# Altium PCB pcb_82.PcbDoc (part 1 of 2) (continued)
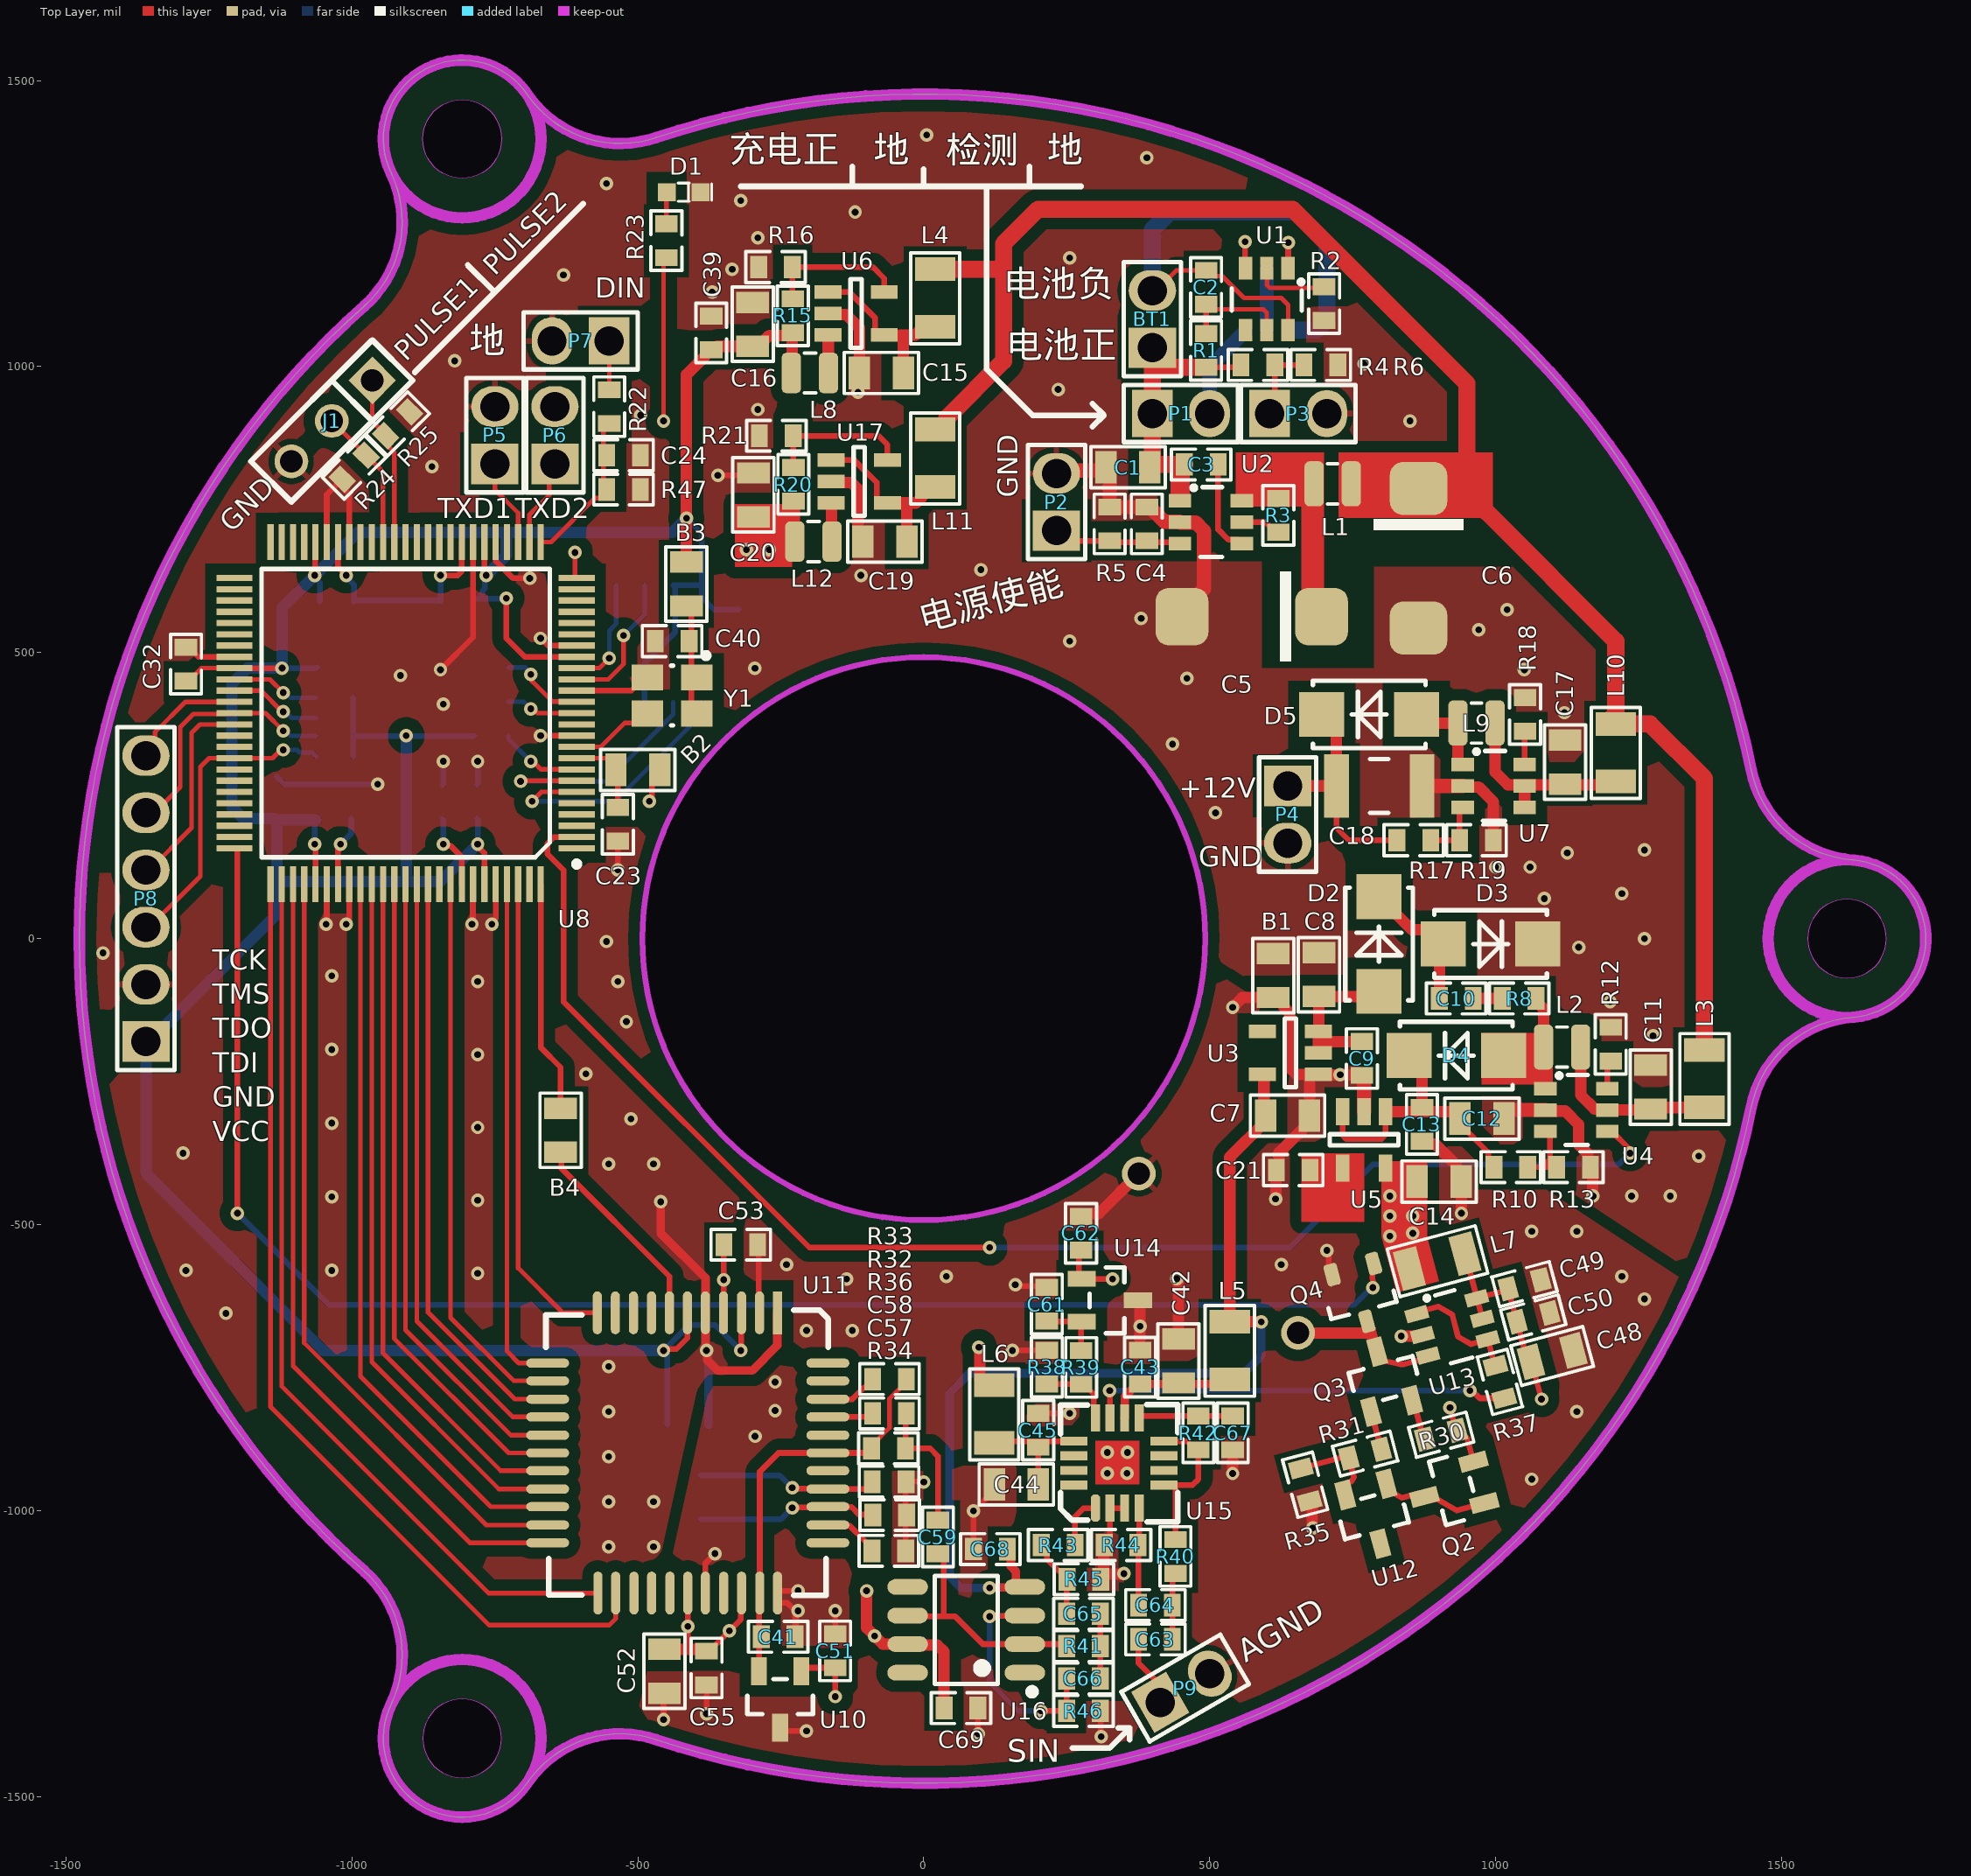
[diagram p0: Top Layer view]
## Footprints (in the part's own frame and the unit in brackets; to place one, negate y for a bottom-side part, rotate by r counter-clockwise, add the part's x,y. Pads: shape width x height; smd on the part's side, far side on the other; paste and mask are expansions set on the pad) (continued)
  rect 0.95x1.45 smd: 1(-0.975,0) 2(0.975,0)
  silkscreen extent -1.65,-0.91 1.65,0.91, body extent -1.11,-0.71 1.1,0.7, height 1.35
R0805_L [mm] "Chip Resistor; Body 80x50mil (2.0 x 1.3 mm)"
  rect 0.95x1.45 smd: 1(-0.975,0) 2(0.975,0)
  silkscreen extent -1.65,-0.91 1.65,0.91, body extent -1,-0.62 1,0.63, height 1.25
R1206_L [mm] "Chip Resistor; Body 120x60mil (3.2 x 1.6 mm )"
  rect 1.05x1.8 smd: 1(-1.275,0) 2(1.275,0)
  silkscreen extent -2.01,-1.09 2.03,1.09, body extent -1.6,-0.8 1.6,0.8, height 1.1
R1210_C [mm] "Chip Capacitor, Body 3.2x2.5mm, IPC High Density"
  rect 1.1x2.8 smd: 1(-1.9,0) 2(1.9,0)
  silkscreen extent -0.4,-1.2 0.4,1.2, body extent -1.65,-1.27 1.65,1.27, height 2.5
SIP3/2.54 [mm] "3 Leads,Pitch=2.54mm, 焊盘: 外径1.5mm,孔径1mm"
  rect 1.5x1.5 hole 1: 1(0,0)
  round 1.5 hole 1: 2(2.54,0) 3(5.08,0)
  silkscreen extent -1.27,-1.27 6.35,1.27
SMA(DO-214AC)_S2 [mm]
  rect 2x2 smd: 1(2.1,0) 2(-2.1,0)
  silkscreen extent -2.5,-1.5 2.5,1.5, body extent -2.6,-1.3 2.6,1.3, height 2.42
SMD-3225 [mm]
  rect 1.15x1.4 smd: 1(-0.8,1.1) 2(-0.8,-1.1) 3(0.8,-1.1) 4(0.8,1.1)
  silkscreen extent -1.9,-0.05 1.33,1.62, body extent -1.33,-1.68 1.33,1.68, height 0.61
SOP-8_150mil [mm]
  oval 0.7x1.8 smd: 1(-1.905,-2.6) 2(-0.635,-2.6) 3(0.635,-2.6) 4(1.905,-2.6) 5(1.905,2.6) 6(0.635,2.6) 7(-0.635,2.6) 8(-1.905,2.6)
  silkscreen extent -2.9,-3.07 2.4,1.4, body extent -2.5,-3.1 2.5,3.1, height 1.75
SOT23-5 [mm]
  rect 1.2x0.6 smd: 1(-1.25,0.95) 2(-1.25,0) 3(-1.25,-0.95) 4(1.25,-0.95) 5(1.25,0.95)
  silkscreen extent -0.25,-1.53 0.25,1.53, body extent -1.55,-1.46 1.3,1.46, height 1.09
SOT-23 [mm]
  rrect50% 1x0.6 smd: 1(-1.2,0.95) 2(-1.2,-0.95) 3(1.2,0)
  silkscreen extent 0.2,-1.5 0.7,1.5, body extent -1.16,-1.45 1.21,1.45, height 1
SOT-23(SOT-23-3) [mm]
  rect 1.25x0.7 smd: 1(1.25,-0.95) 2(1.25,0.95) 3(-1.25,0)
  silkscreen extent -0.65,-1.46 0.9,1.46, body extent -1.5,-1.5 1.5,1.5, height 1.3
TQFP100 [mm]
  rect 1.6x0.279 smd: 1(-7.6,6) 2(-7.6,5.5) 3(-7.6,5) 4(-7.6,4.5) 5(-7.6,4) 6(-7.6,3.5) 7(-7.6,3) 8(-7.6,2.5) 9(-7.6,2) 10(-7.6,1.5) 11(-7.6,1) 12(-7.6,0.5) 13(-7.6,0) 14(-7.6,-0.5) 15(-7.6,-1) 16(-7.6,-1.5) 17(-7.6,-2) 18(-7.6,-2.5) 19(-7.6,-3) 20(-7.6,-3.5) 21(-7.6,-4) 22(-7.6,-4.5) 23(-7.6,-5) 24(-7.6,-5.5) 25(-7.6,-6) 51(7.6,-6) 52(7.6,-5.5) 53(7.6,-5) 54(7.6,-4.5) 55(7.6,-4) 56(7.6,-3.5) 57(7.6,-3) 58(7.6,-2.5) 59(7.6,-2) 60(7.6,-1.5) 61(7.6,-1) 62(7.6,-0.5) 63(7.6,0) 64(7.6,0.5) 65(7.6,1) 66(7.6,1.5) 67(7.6,2) 68(7.6,2.5) 69(7.6,3) 70(7.6,3.5) 71(7.6,4) 72(7.6,4.5) 73(7.6,5) 74(7.6,5.5) 75(7.6,6)
  rect 0.279x1.6 smd: 26(-6,-7.6) 27(-5.5,-7.6) 28(-5,-7.6) 29(-4.5,-7.6) 30(-4,-7.6) 31(-3.5,-7.6) 32(-3,-7.6) 33(-2.5,-7.6) 34(-2,-7.6) 35(-1.5,-7.6) 36(-1,-7.6) 37(-0.5,-7.6) 38(0,-7.6) 39(0.5,-7.6) 40(1,-7.6) 41(1.5,-7.6) 42(2,-7.6) 43(2.5,-7.6) 44(3,-7.6) 45(3.5,-7.6) 46(4,-7.6) 47(4.5,-7.6) 48(5,-7.6) 49(5.5,-7.6) 50(6,-7.6) 76(6,7.6) 77(5.5,7.6) 78(5,7.6) 79(4.5,7.6) 80(4,7.6) 81(3.5,7.6) 82(3,7.6) 83(2.5,7.6) 84(2,7.6) 85(1.5,7.6) 86(1,7.6) 87(0.5,7.6) 88(0,7.6) 89(-0.5,7.6) 90(-1,7.6) 91(-1.5,7.6) 92(-2,7.6) 93(-2.5,7.6) 94(-3,7.6) 95(-3.5,7.6) 96(-4,7.6) 97(-4.5,7.6) 98(-5,7.6) 99(-5.5,7.6) 100(-6,7.6)
  silkscreen extent -7.73,-6.4 6.4,6.82, body extent -8,-8 8,8, height 1.81

## Part data
B1 B2 B3 B4: "600Ω @ 100MHz  / 线路数 1  / 额定电流（最大） 600mA  / 直流电阻（DCR）（最大） 210mΩ", 厂家=muRata(村田), 型号=BLM21AG601SN1D, 封装=0805, 类型=Bead, 订货编码=C85837
BT1: library part Battery_18650_DIP, "18650单节直插电池仓", System=Connector, 厂家=-, 型号=DIP-18650, 封装=DIP, 类型=电池盒/电池座, 订货编码=-
C1 C7 C8 C11 C12 C14 C15 C16 C17 C19 C20 C26 C33 C42 C44 C48 C52 C56: library part 10uF/0805/16V, "精度 ±10%  / 容值 10uF  / 额定电压 16V  / 温漂系数（介质材料) X7R", 厂家=FH(风华), 型号=0805B106K160NT, 封装=0805, 类型=Capacitor, 订货编码=C92341
C2 C9 C13 C23 C27 C28 C29 C30 C31 C32 C34 C35 C36 C37 C38 C39 C40 C41 C43 C45 C47 C49 C50 C51 C53 C54 C55 C57 C58 C61 C62 C68 C69: library part 100nF/0603/50V, "精度 ±10%  / 容值 100nF  / 额定电压 50V  / 温漂系数（介质材料) X7R", 厂家=FH(风华), 型号=0603B104K500NT, 封装=0603, 类型=Capacitor, 订货编码=C30926
C3: library part 1nF/0603/50V, "精度 ±5%  / 容值 1nF  / 额定电压 50V  / 温漂系数（介质材料) C0G", 厂家=FH(风华), 型号=0603CG102J500NT, 封装=0603, 类型=Capacitor, 订货编码=C1636
C4 C24 C63 C64 C65 C66 C67: library part 100pF/0603/50V, "精度 ±5%  / 容值 100pF  / 额定电压 50V  / 温漂系数（介质材料) C0G", 厂家=FH(风华), 型号=0603CG101J500NT, 封装=0603, 类型=Capacitor, 订货编码=C1635
C5 C6: library part "Cap Pol/100uF/16V", "钽电容  / 精度 ±10%  / 容值 100uF  / 额定电压 16V  / ESR串联电阻 900 mΩ @ 100kHz  / 工作温度 -55℃~125℃", 厂家=AVX, 型号=TAJE107K016RNJ, 封装=CASE-E_7343, 类型=钽电容, 订货编码=C106186
C10: library part 1uF/0603/50V, "精度 ±10%  / 容值 1uF  / 额定电压 50V  / 温漂系数（介质材料) X7R", 厂家=FH(风华), 型号=0603B105K500NT, 封装=0603, 类型=Capacitor, 订货编码=C90540
C18: library part 22uF/1210/25V, "±10%  / 容值 22uF  / 额定电压 25V  / 温漂系数（介质材料) X7R", 厂家=muRata(村田), 型号=GRM32ER71E226KE15L, 封装=1210, 类型=Capacitor, 订货编码=C21397
C21 C59: library part 10nF/0603/C0G/50V, "精度 ±5%  / 容值 10nF  / 额定电压 50V  / 温漂系数（介质材料) C0G", 厂家=FH(风华), 型号=0603CG103J500NT, 封装=0603, 类型=Capacitor, 订货编码=C82282
C46: library part 22uF/0805/25V, "精度 ±20%  / 容值 22uF  / 额定电压 25V  / 温漂系数（介质材料) X5R", 厂家=muRata(村田), 型号=GRM21BR61E226ME44L, 封装=0805, 类型=Capacitor, 订货编码=C86816
C60: library part 470nF/10mm/450V, "聚酯薄膜电容  / 脚间距（mm） 10  / 精度 ±5%  / 容值 470nF  / 额定直流耐压DC 450V  / 工作温度 -55℃ ~ +105℃", 厂家=faratronic(厦门法拉), 型号=C222S474J40Y350, 封装=P=10mm, 类型=Capacitor, 订货编码=C280341
D1: "LED SMD贴片0603顶部发光 / 黄色雾状胶体，高亮白色光 / 电压VF:2.6-3.1V@5mA / 亮度Iv:228-450mcd@5mA / 坐标x:0.3,y:0.3 / 发光角度:120deg", 厂家=MEIHUA(美华科技), 型号=MHT192WDT-C2, 封装=0603, 类型=LED, 订货编码=C389521
D2 D3 D4 D5: "直流反向耐压（Vr） 40V  / 平均整流电流（Io） 3A  / 正向压降（Vf） 550mV @ 3A", 厂家=DIODES(美台), 型号=B340A-13-F, 封装=SMA, 类型=肖特基二极管, 订货编码=C85098
J1: "3pin,单排,2.54mm间距", System=Connector, 厂家=/, 型号=/, 封装=/, 类型=/, 订货编码=/
L1 L2 L9: library part 4.7uH/NR2520, "精度 ±20%  / 饱和电流 1.37A  / 温升电流0.92A / 直流电阻（内阻） 377mΩ  / 电感值 4.7uH", 厂家=TDK, 型号=VLS252012ET-4R7M, 封装=NR2520, 类型=Inductor, 订货编码=C98336
L3 L4 L5 L6 L7 L10 L11: library part 1kΩ@100MHz, "阻抗 @ 频率 1kΩ @ 100MHz  / 线路数 1  / 额定电流（最大） 2A  / 直流电阻（DCR）（最大） 120mΩ", 厂家=FH(风华), 型号=CBM321609U102T, 封装=1206, 类型=Bead, 订货编码=C139169
L8 L12: library part 2.2uH/NR2016, "精度 ±20%  / 饱和电流 1.3A  / 温升电流1.15A / 直流电阻（内阻） 175mΩ  / 电感值 2.2uH", 厂家=Sunlord(顺络), 型号=SPH201610U2R2MT, 封装=NR2016, 类型=Inductor, 订货编码=C96796
P1 P2 P3 P4 P5 P6 P7 P9: "Header, 2-Pin", System=Connector, 厂家=/, 型号=/, 封装=/, 类型=/, 订货编码=/
P8: library part "Header 6", "Header, 6-Pin", System=Connector, 厂家=/, 型号=/, 封装=/, 类型=/, 订货编码=/
Q1: "漏源电压（Vdss） 20V  / 连续漏极电流（Id）（25°C 时） 6.5A  / 栅源极阈值电压 900mV @ 250uA  / 漏源导通电阻 24mΩ @ 6.5A,4.5V  / 最大功率耗散（Ta=25°C） 850mW  / 类型 双N沟道(共漏)", 厂家=DIODES(美台), 型号=DMG6968UDM-7, 封装=SOT23-6, 类型=MOS(场效应管), 订货编码=C151635
Q2 Q3: "额定功率 200mW  / 集电极电流Ic 200mA  / 集射极击穿电压Vce 40V  / 晶体管类型 PNP", 厂家=ON(安森美), 型号=MMBT3906TT1G, 封装=SOT23-3, 类型=PNP, 订货编码=C82042
Q4: "漏源电压（Vdss） 25V  / 连续漏极电流（Id）（25°C 时） 220mA  / 栅源极阈值电压 1.06V @ 250uA  / 漏源导通电阻 4Ω @ 400mA,4.5V  / 最大功率耗散（Ta=25°C） 350mW  / 类型 N沟道", 厂家=ON(安森美), 型号=FDV301N, 封装=SOT-23-3, 类型=MOS(场效应管), 订货编码=C15310
R1 R3: library part 470R/0603, "精度 ±1%  / 温度系数 ±100ppm/℃  / 功率 0.1W", 厂家=FH(风华), 型号=RS-03K4700FT, 封装=0603, 类型=Resistor, 订货编码=C116694
R2 R34: library part 2K/0603, "精度 ±1%  / 阻值 2kΩ  / 温度系数 ±100ppm/℃  / 功率 0.1W", 厂家=FH(风华), 型号=RS-03K2001FT, 封装=0603, 类型=Resistor, 订货编码=C115336
R4 R6: library part 10M/0603, "温度系数 ±250ppm/℃  / 精度 ±1%  / 阻值 10MΩ  / 功率 0.1W", 厂家=FH(风华), 型号=RS-03L1005FT, 封装=0603, 类型=Resistor, 订货编码=C322040
R5: library part 1M/0603, "阻值 1MΩ  / 精度 ±1%  / 温度系数 ±100ppm/℃  / 功率 0.1W", 厂家=FH(风华), 型号=RS-03K1004FT, 封装=0603, 类型=Resistor, 订货编码=C136593
R8: library part 1R/0603, "±250ppm/℃  / 精度 ±1%  / 阻值 1Ω  / 功率 0.1W", 厂家=FH(风华), 型号=RS-03L1R00FT, 封装=0603, 类型=Resistor, 订货编码=C174300
R10: library part 649K/0603, "649kΩ  / 精度 ±1%  / 温度系数 ±100ppm/℃  / 功率 0.1W", 厂家=FH(风华), 型号=RS-03K6493FT, 封装=0603, 类型=Resistor, 订货编码=C321974
R12 R18: library part 0R/0603, "精度 ±1%  / 阻值 0Ω  / 功率 0.1W", 厂家=FH(风华), 型号=RS-03000FT, 封装=0603, 类型=Resistor, 订货编码=C136582
R13 R16 R19 R21 R40 R41 R44 R46 R47: library part 100K/0603, "精度 ±1%  / 阻值 100kΩ  / 温度系数 ±100ppm/℃  / 功率 0.1W", 厂家=FH(风华), 型号=RS-03K1003FT, 封装=0603, 类型=Resistor, 订货编码=C115320
R15: library part 412K/0603, "412kΩ  / 精度 ±1%  / 温度系数 ±100ppm/℃  / 功率 0.1W", 厂家=FH(风华), 型号=RS-03K4123FT, 封装=0603, 类型=Resistor, 订货编码=C321899
R17: library part 1.4M/0603, "±250ppm/℃  / 精度 ±1%  / 阻值 1.4MΩ  / 功率 0.1W", 厂家=FH(风华), 型号=RS-03L1404FT, 封装=0603, 类型=Resistor, 订货编码=C322055
R20: library part 150K/0603, "150kΩ  / 精度 ±1%  / 温度系数 ±100ppm/℃  / 功率 0.1W", 厂家=FH(风华), 型号=RS-03K1503FT, 封装=0603, 类型=Resistor, 订货编码=C294649
R22: library part 47R/0603, "精度 ±1%  / 温度系数 ±100ppm/℃  / 阻值 47Ω  / 功率 0.1W", 厂家=FH(风华), 型号=RS-03K47R0FT, 封装=0603, 类型=Resistor, 订货编码=C140087
R23: library part 330R/0603, "精度 ±1%  / 温度系数 ±100ppm/℃  / 阻值 330Ω  / 功率 0.1W", 厂家=FH(风华), 型号=RS-03K3300FT, 封装=0603, 类型=Resistor, 订货编码=C125768
R24 R25 R26 R28 R29: library part 4.7K/0603, "精度 ±1%  / 阻值 4.7kΩ  / 温度系数 ±100ppm/℃  / 功率 0.1W", 厂家=FH(风华), 型号=RS-03K4701FT, 封装=0603, 类型=Resistor, 订货编码=C116693
R27: library part 4.7K/0603X4, "4.7K  / 电阻器数 4  / 精度 ±1%  / 安装类型 表面贴装  / 每元件功率 1/16W  / 温度系数 ±200ppm/℃", 厂家=UNI-ROYAL(厚声), 型号=4D03WGF4701T5E, 封装=0603_x4, 类型=Resistor, 订货编码=C66697
R30 R35 R42: library part 1K/0603, "精度 ±1%  / 温度系数 ±100ppm/℃  / 阻值 1kΩ  / 功率 0.1W", 厂家=FH(风华), 型号=RS-03K1001FT, 封装=0603, 类型=Resistor, 订货编码=C115325
R31: library part 51R/0603, "精度 ±1%  / 温度系数 ±100ppm/℃  / 功率 0.1W  / 阻值 51Ω", 厂家=FH(风华), 型号=RS-03K51R0FT, 封装=0603, 类型=Resistor, 订货编码=C146828
R32 R33: library part 30R/0603, "精度 ±1%  / 阻值 30Ω  / 温度系数 ±100ppm/℃  / 功率 0.1W", 厂家=FH(风华), 型号=RS-03K30R0FT, 封装=0603, 类型=Resistor, 订货编码=C321848
R36 R38 R43 R45: library part 10K/0603, "精度 ±1%  / 温度系数 ±100ppm/℃  / 阻值 10kΩ  / 功率 0.1W", 厂家=FH(风华), 型号=RS-03K1002FT, 封装=0603, 类型=Resistor, 订货编码=C115324
R37 R39: library part 30K/0603, "精度 ±1%  / 阻值 30kΩ  / 温度系数 ±100ppm/℃  / 功率 0.1W", 厂家=FH(风华), 型号=RS-03K3002FT, 封装=0603, 类型=Resistor, 订货编码=C140100
U1: "单节电池保护芯片 / 过充4.325V / 过放2.5V / 过流150mV", 厂家=ABLIC(艾普凌科), 型号=S-8261AAJMD-G2JT2S, 封装=SOT23-6, 类型=电池保护芯片, 订货编码=C125801
U2: "2A负载开关", 厂家=TI(德州仪器), 型号=TPS22917DBVR, 封装=SOT23-6, 类型=模拟开关, 订货编码=C2681320
U3: "–28 V、 −200 mA、低噪声线性稳压器", 厂家=ADI(亚德诺)/LINEAR, 型号=ADP7182AUJZ-5.0-R7, 封装=SOT-23-5, 类型=LDO, 订货编码=C514357
U4 U6 U7 U17: "DC-DC芯片  / 最小输入电压 2.5V  / 最大输入电压 5.5V  / 输出电压（最小值/固定） 0.6V  / 输出电压（最大值） 5.5V  / 可输出电流 1A  / 开关工作频率 1.5MHz", 厂家=TI(德州仪器), 类型=DCDC
  U4 U7: 型号=TLV61048DBVT, 封装=SOT-23-6, 订货编码=C2071944
  U6 U17: 型号=TLV62568DBVR, 封装=SOT-23-5, 订货编码=C163219
U5: "16V  / 工作电源电流(Max) 4mA  / 压降(max) 850mV @ 250mA  / 输出电压(可调) -  / 静态电流(Iq) -  / 最大输出电流 250mA  / 输出配置 正  / 纹波抑制(PSRR) 45dB(1kHz)  / 工作温度 -40℃~125℃(Tj)  / 输出电压(固定) 5V", 厂家=TI(德州仪器), 型号=LP2992AIM5-5.0/NOPB, 封装=SOT-23-5, 类型=LDO, 订货编码=C130001
U8: "Cyclone Family, 1.5V FPGA, 65 I/O Pins, 1 x PLL, Commercial Grade, Speed Grade 7, Pb-Free", A_Manufacturer=-, Manufacturer=INTEL, Package=TQFP100, A_Code=-, A_ComType=-, Code=EP1C3T100C7NA, CompType=FPGA, DistributorCode=-, 厂家=INTEL, 型号=EP1C3T100C7NA, 封装=TQFP100, 类型=FPGA, 订货编码=-
U9: "FLASH - NOR / 4Mb（512K x 8） / SPI / 电压 - 供电 / 2.3V ~ 3.6V / 工作温度 / -40°C ~ 85°C（TA）", 厂家=micron(镁光), 型号=M25P40-VMN6TPB, 封装=SOIC-8, 类型=FLASH存储器, 订货编码=C524852
U10 U14: "输出电压（最小值/固定） 2.5V  / 输出电流 5mA  / 输出电压（最大值） -  / 输入电压 2.7 V ~ 5.5 V  / 电源电流 8.5uA  / 输出类型 固定  / 工作温度 -40°C ~ 125°C(TA)  / 温度系数 30ppm/°C  / 阴极电流 -  / 精度 ±0.15%  / 参考源类型 系列", 厂家=TI(德州仪器), 型号=REF3325AIDBZR, 封装=SOT23-3, 类型=电源参考, 订货编码=C69039
U11: "模数转换芯片  / 读写接口类型 Parallel  / 工作电压 5V  / 输入类型 Differential, Single Ended  / 参考类型 External, Internal  / 输入数 1  / 采样率（sps） 10M  / A/D 位数 14", 厂家=ADI(亚德诺), 型号=AD9240ASZRL, 封装=MQFP-44, 类型=模数转换芯片, 订货编码=C38677
U12: library part LM4051AIM3-ADJ/NOPB, "1.212V  / 输出电流 12mA  / 输出电压（最大值） 10V  / 输入电压 -  / 电源电流 -  / 输出类型 可调式  / 工作温度 -40°C ~ 85°C(TA)  / 温度系数 50ppm/°C  / 阴极电流 65uA  / 精度 ±0.1%  / 参考源类型 分流器", 厂家=TI(德州仪器), 型号=LM4051AIM3-ADJ/NOPB, 封装=SOT-23, 类型=并联电压参考, 订货编码=C181558
U15: library part "AD8336ACPZ WP", 厂家=ADI(亚德诺), 型号="AD8336ACPZ WP", 封装=LFCSP-16, 类型=特殊功能放大器, 订货编码=C1523374
U16: "FET输入运放  / 增益带宽积（GBP） 8MHz  / 放大器组数 1  / 输出类型 -  / 运放类型 J-FET  / 各通道功耗 -  / 压摆率（SR） 20 V/us  / 工作温度 -40°C ~ 125°C  / 电源电压 ±4.5V ~ 18V", 厂家=TI(德州仪器), 型号=AD8510ARZ-REEL7, 封装=SOIC-8_150mil, 类型=运放, 订货编码=C44017
Y1: library part "SG-310SCF 20MHZ L", "工作电压 2.7V ~ 3.6V  / 主频 20MHz  / 频率稳定度 ±50ppm  / 工作温度 -40℃~85℃", 厂家=EPSON(爱普生), 型号=Q33310F70051500, 封装=SMD-3225_4P, 类型=有源晶振, 订货编码=C32529
U13: 厂家=ADI(亚德诺), 型号=LTC2050HVHS6#TRPBF, 封装=TSOT-23-6, 类型=运放, 订货编码=C679145

## Via types
v1: diameter 23.62, hole 11.81, Top Layer to Bottom Layer, tented both sides, 188 vias
v2: diameter 23.62, hole 11.81, Top Layer to Bottom Layer, 4 vias

## Nets (pads, with @x,y where several pads share a name; then routed paths per layer and width w, separated by ;. In a path a pad name is that pad's centre, name@x,y a point inside that pad or via, vN(x,y) a via of type N, cw(c..) or ccw(c..) an arc to the next point about the centre after c; other vN are vias at no path point)
+1.5V: B2.2 C20.2 C33.1 C34.2 C35.2 C36.2 C37.2 L12.2 R20.2 U8.33 U8.44 U8.82 U8.93 | length 882.7
  Top Layer w10: U8.82@-1024.18,94.99 -1024.18,157.14 -1020,161.31 v1(-1020,165) ; U8.44@-1024.18,693.42 -1024.18,649.18 v1(-1010,635) ; v1(-845,635) -815,635 -807.64,642.36 U8.33@-807.64,693.42 ; v1(-840,165) -837.39,162.39 -827.39,162.39 -807.64,142.64 U8.93@-807.64,94.99 ; v1(-480,240) -480,243.69 -475.31,248.37 -475.31,281.3 B2.2@-461.61,295
  Top Layer w20: C20.2@-297.93,737.28 -288.09,737.28 -270.29,719.49 -232.14,719.49 L12.2@-226.67,714.01 ; R20.2@-227.93,764.52 -226.67,763.26 L12.2@-226.67,714.01 ; L12.2@-225.41,694.05 -225.41,712.75 L12.2@-226.67,714.01
  Bottom Layer w10: v1(-1020,165) -1001.07,183.93 C35.2@-1001.07,209.68 ; v1(-1010,635) -1010,632.43 -996.07,618.49 C37.2@-996.07,588.73 -993.57,591.23 -848.57,591.23 C36.2@-846.07,593.73 -846.07,591.07 -845,590 v1(-845,635) ; C34.2@-841.07,209.68 -840,208.61 v1(-840,165)
  other v1: -310,680 -270,680
+2.5V: C41.2 R33.1 R36.1 U10.2 U11.32 U11.39 | length 708.4
  Top Layer w8: R36.1@-91.18,-886.12 -60,-854.95 -60,-804.45 R33.1@-30.47,-774.92
  Top Layer w10: U10.2@-288.58,-1280.76 -287.66,-1279.85 -287.66,-1144.95 U11.32@-286.75,-1144.04 -286.75,-931.75 -254.04,-899.04 U11.39@-167.75,-899.04 -99.17,-899.04 R36.1@-91.18,-891.04 R36.1@-91.18,-886.12 ; R33.1@-30.47,-774.92 R33.1@-30.47,-770
+3V: B3.1 C16.2 C26.2 C27.2 C28.2 C29.2 C30.2 C31.2 C32.2 C38.2 C39.2 C46.2 C47.2 L8.2 P8.1 R15.2 R27.5 R27.6 R27.7 R27.8 R29.1 U8.18 U8.31 U8.46 U8.59 U8.80 U8.95 U9.3 U9.7 U9.8 U11.3 U11.6 | length 6674.7
  Top Layer w8: C32.2@-1290,450.47 -1285.08,450.47 -1262.61,472.94 U8.59@-1205.28,472.94
  Top Layer w10: U8.59@-1205.28,472.94 v1(-1122.06,472.94) ; v1(-1065,165) -1063.55,163.55 U8.80@-1063.55,94.99 ; v1(-1065,635) -1064.05,635.95 -1064.05,692.92 U8.46@-1063.55,693.42 ; v1(-780,165) -780,161.31 -768.27,149.58 U8.95@-768.27,94.99 ; U8.31@-768.27,693.42 -768.27,641.96 -765,638.69 v1(-765,635) ; v1(-730,595) -730,525 -697.63,492.63 U8.18@-606.85,492.63 ; v1(-455,-720) -452.39,-717.39 -432.39,-717.39 -413.23,-698.23 U11.6@-413.23,-654.04 ; v1(-320,-720) -319.37,-719.37 -319.37,-654.66 U11.3@-318.75,-654.04
  Top Layer w20: B3.1@-415,658.39 -415,985.96 -381.34,1019.63 -381.34,1024.55 -376.57,1029.31 C39.2@-371.65,1029.31 -366.73,1029.31 -360.59,1035.45 C16.2@-299.13,1035.45 -289.29,1035.45 -270.2,1054.55 -233.89,1054.55 R15.2@-230.37,1058.07 ; L8.2@-231.61,988.84 -230.37,990.08 R15.2@-230.37,1058.07 ; R15.2@-229.13,1059.31 R15.2@-230.37,1058.07
  Bottom Layer w10: v1(-1122.06,472.94) -1061.85,472.94 C29.2@-1060.59,474.2 ; v1(-1065,165) -1065,205.74 -1062.99,207.75 C27.2@-1061.07,209.68 ; v1(-1065,635) -1065,631.31 -1056.07,622.38 C30.2@-1056.07,588.73 ; R27.8@-997.52,318.82 R27.6@-997.52,385.75 R27.5@-997.52,421.18 ; R27.7@-997.52,354.25 -905,354.25 -785.64,354.25 R29.1@-785.59,354.2 ; C31.2@-786.07,593.73 -785.43,594.37 C31.2@-780.51,594.37 ; C28.2@-781.07,210.15 -780,209.08 v1(-780,165) ; v1(-765,635) -767.61,632.39 -767.61,612.19 -771.38,608.42 -771.38,603.49 C31.2@-780.51,594.37 ; v1(-730,595) -730.63,594.37 C31.2@-780.51,594.37 ; U9.3@-488.03,413.32 -488.03,481.97 -435,535 -435,615.01 U9.7@-438.03,618.04 U9.8@-388.03,618.04 ; C46.2@-448.39,-850 -448.39,-720 v1(-455,-720) -410,-675 -365,-675 v1(-320,-720) ; v1(-415,735) -388.03,708.03 U9.8@-388.03,618.04 ; C38.2@-323.03,575.21 -366.85,575.21 -388.03,596.39 U9.8@-388.03,618.04
  Bottom Layer w20: C27.2@-1062.99,207.75 -1129.14,207.75 C26.2@-1131.07,205.82 ; v1(-905,355) -905,354.25 -905,105 -900,100 ; v1(-780,165) -845,100 -900,100 ; v1(-765,635) -730,670 -730,705 ; v1(-455,-720) -1050,-720 -1360,-410 P8.1@-1360,-180 -1354.09,-180 -1131.07,43.03 -1131.07,100 ; v1(-415,735) -440,710 -990,710 v1(-1065,635) -1122.06,577.94 v1(-1122.06,472.94) -1182.06,472.94 -1210,445 -1210,230 -1189.61,209.61 -1134.86,209.61 C26.2@-1131.07,205.82 ; -1131.07,100 C26.2@-1131.07,205.82 ; -1131.07,100 -900,100
+5V: C14.1 C52.1 C53.1 C55.2 C62.1 C69.2 L6.1 L7.1 Q2.2 R30.2 U5.5 U11.4 U11.28 U11.31 U14.1 U16.7 | length 1219.4
  Top Layer w10: -412.75,-1242.37 v1(-412.75,-1202.25) U11.28@-412.75,-1144.04 ; C55.2@-380,-1245.47 -375.08,-1245.47 -319.9,-1190.29 -319.9,-1145.19 U11.31@-318.75,-1144.04 ; U11.4@-350.24,-654.04 -349.95,-653.76 -349.95,-596.61 v1(-349.67,-596.33) -349.6,-596.26 -349.6,-535.07 C53.1@-349.53,-535 ; L6.1@123.13,-780.82 L6.1@130,-787.69 ; C62.1@270.84,-544.53 270.84,-589.77 U14.1@275.9,-594.83 275.99,-594.92 329.92,-594.92 v1(330,-595) ; 839.96,-454.64 850,-464.68 v1@850,-485 ; 849.16,-502.72 849.16,-485.84 v1@850,-485 ; v1(855,-515) 855,-490 v1@850,-485 ; v1(920,-820) 926.95,-845.93 R30.2@933.16,-859.47 934.43,-864.23 949.93,-873.17 Q2.2@960.94,-914.27
  Top Layer w20: C52.1@-453.38,-1242.37 -412.75,-1242.37 -388.73,-1242.37 -382.01,-1249.09 C55.2@-377.09,-1249.09 ; v1(-100,-1140) -100,-1205 -71.73,-1233.27 U16.7@-28.1,-1233.27 -26.66,-1234.72 23.76,-1234.72 35.47,-1246.43 C69.2@35.47,-1345 ; v1(96.35,-714.29) 96.35,-715.27 97.7,-716.62 97.7,-770.15 115.24,-787.69 L6.1@130,-787.69 ; U5.5@807.18,-401.02 807.18,-410.95 808.99,-412.76 853.87,-412.76 862.57,-421.47 C14.1@862.57,-424.51
  other v1: -85.86,-1219.14 -340,-1210 815,-520 815,-485 855,-485 815,-450
+5VA: C44.2 C45.2 L6.2 U15.13 | length 205.7
  Top Layer w10: L6.2@123.13,-881.21 125.92,-878.42 U15.13@262.65,-878.42 ; C44.2@200.13,-954.01 C45.2@200.13,-889.01
-5V: C7.1 C68.1 L5.1 U3.5 U16.4 | length 1694.1
  Top Layer w15: v1(115,-1135) 115.86,-1134.14 175.76,-1134.14 U16.4@176.62,-1133.27 166.77,-1133.27 160.97,-1127.47 160.97,-1105.97 152.21,-1097.21 152.21,-1073.27 C68.1@146.05,-1067.1
  Top Layer w20: v1(590,-670) 589.9,-669.9 535.1,-669.9 L5.1@535,-669.8 535,-381.92 597.57,-319.35 C7.1@597.57,-309.51 594.66,-306.59 594.66,-238.72 592.85,-236.91 U3.5@591.75,-236.91
  Bottom Layer w15: v1(115,-1135) 65,-1135 45,-1115 45,-795 80,-760 560,-760 590,-730 v1(590,-670)
-5VA: C42.2 C43.2 L5.2 U15.10 | length 230.4
  Top Layer w15: U15.10@351.23,-838.07 351.61,-837.69 351.61,-800.05 373.23,-778.43 C43.2@378.15,-778.43 510.48,-778.43 523.65,-765.26 L5.2@523.65,-759.51
AGND: B1.1 C7.2 C9.2 C13.2 C14.2 C21.1 C41.1 C42.1 C43.1 C44.1 C45.1 C48.1 C49.1 C50.1 C51.1 C52.2 C53.2 C55.1 C57.2 C58.2 C60.1 C61.2 C62.2 C67.1 C68.2 C69.1 P9.2 Q4.2 R34.1 R35.1 R38.2 R44.2 R45.1 R46.2 U3.1 U5.2 U10.3 U11.2 U11.29 U11.33 U13.2 U14.3 U15.2 U15.3 | length 2660.8
  Top Layer w10: v1(-455,-1365) -455,-1320.76 C52.2@-453.38,-1319.15 ; U11.29@-381.75,-1144.04 -381.75,-1091.75 v1(-365,-1075) ; v1(-380,-1355) C55.1@-380,-1304.53 ; C53.2@-290.47,-535 -288.39,-537.08 -288.39,-594.99 -288.39,-652.89 U11.2@-287.24,-654.04 ; U10.3@-251.18,-1379.19 -245.36,-1385 v1(-205,-1385) ; v1(-220,-1175) -222.59,-1177.59 -222.59,-1217.78 C41.1@-225.19,-1220.37 -225.19,-1173.5 -226.29,-1172.39 -227.39,-1172.39 -238.61,-1161.18 -252.98,-1161.18 -255.75,-1158.41 -255.75,-1142.77 -252.98,-1140 v1(-220,-1140) ; C51.1@-155,-1215.47 v1(-155,-1175) ; R34.1@-31.68,-1070.28 -31.41,-1070.01 -31.41,-949.61 C58.2@-31.14,-949.34 -0.66,-949.34 v1(0,-950) ; C68.2@86.99,-1067.1 v1(86.99,-1000.22) 123.36,-963.86 C44.1@123.36,-954.01 ; C69.1@94.53,-1345 94.76,-1345.24 94.76,-1389.76 v1(95,-1390) ; v1(155,-720) 155.26,-719.74 214.87,-719.74 R38.2@215.13,-719.48 ; v1(160,-605) 162.24,-607.24 212.89,-607.24 C61.2@215.13,-609.48 ; C45.1@200.15,-829.98 v1(255,-830) ; R46.2@308.68,-1349.95 309.34,-1350.6 309.34,-1394.34 v1(310,-1395) ; R44.2@315.47,-1060 315.47,-1055.08 325.64,-1044.91 U15.2@325.64,-995.55 U15.3@351.23,-995.55 ; v1(705,-545) 707.61,-547.61 707.61,-580.92 Q4.2@714.11,-587.42 ; v1(835,-695) v1@835.13,-694.87 ; U13.2@869.63,-694.87 U13.2@871.8,-692.69
  Top Layer w20: C62.2@275,-485.47 279.76,-480.71 305.9,-480.71 C60.1@375.81,-410.81 ; R45.1@309.53,-1120 309.53,-1115.46 R45.1@314.29,-1110.69 ; R44.2@315.47,-1060 314.29,-1061.18 R45.1@314.29,-1110.69 ; v1(350,-1110) 349.31,-1110.69 R45.1@314.29,-1110.69 ; U14.3@374.37,-632.23 378.15,-636.01 C43.1@378.15,-719.38 ; v1(442.62,-594.58) 442.62,-595.56 445.16,-598.1 445.16,-699.75 C42.1@445.32,-699.91 ; v1(540,-935) 540.07,-934.93 540.07,-893.61 C67.1@540.13,-893.54 ; v1(540,-120) 557.11,-102.89 B1.1@610.96,-102.89 620.8,-102.89 629.5,-111.59 629.5,-119.5 640,-130 640,-225.79 651.72,-237.5 U3.1@677.76,-237.5 ; v1(615,-455) 615.69,-454.31 615.69,-405.24 C21.1@616.43,-404.51 621.19,-399.74 621.19,-373.81 665.64,-329.36 665.64,-318.21 C7.2@674.35,-309.51 674.35,-240.92 U3.1@677.76,-237.5 ; R35.1@674.4,-983.21 679.31,-988.12 679.31,-1029.31 v1(680,-1030) ; C9.2@765.96,-239.03 764.9,-237.97 691.23,-237.97 U3.1@690.17,-236.91 678.36,-236.91 U3.1@677.76,-237.5 ; v1@835.13,-694.87 U13.2@869.63,-694.87 ; C13.2@870.96,-354.03 875.72,-358.8 893.8,-358.8 930.64,-395.64 930.64,-415.81 C14.2@939.34,-424.51 940,-443.05 v1(940,-480) ; C49.1@1078.7,-596.44 C49.1@1085.81,-604.56 ; C48.1@1122.54,-704.15 C48.1@1135.74,-719.81
  Top Layer w25: C9.2@765.96,-239.03 767.74,-239.03 770,-241.3 770,-302.38 U5.2@769.78,-302.6
  other v1: 1062.99,-944.88 -295,-870 1141.73,-826.77 -260,-825 -260,-775 -205,-685 -125,-685 378.15,-677.69 1259.84,-629.92 -135.01,-594.99 39.37,-590.55 1220.47,-590.55 -240,-570 625,-570 1062.99,-511.81 1141.73,-511.81 728.06,-237.97